# KiCad board 1 - ATX 16 bit ISA passive backplane.kicad_pcb (continued)
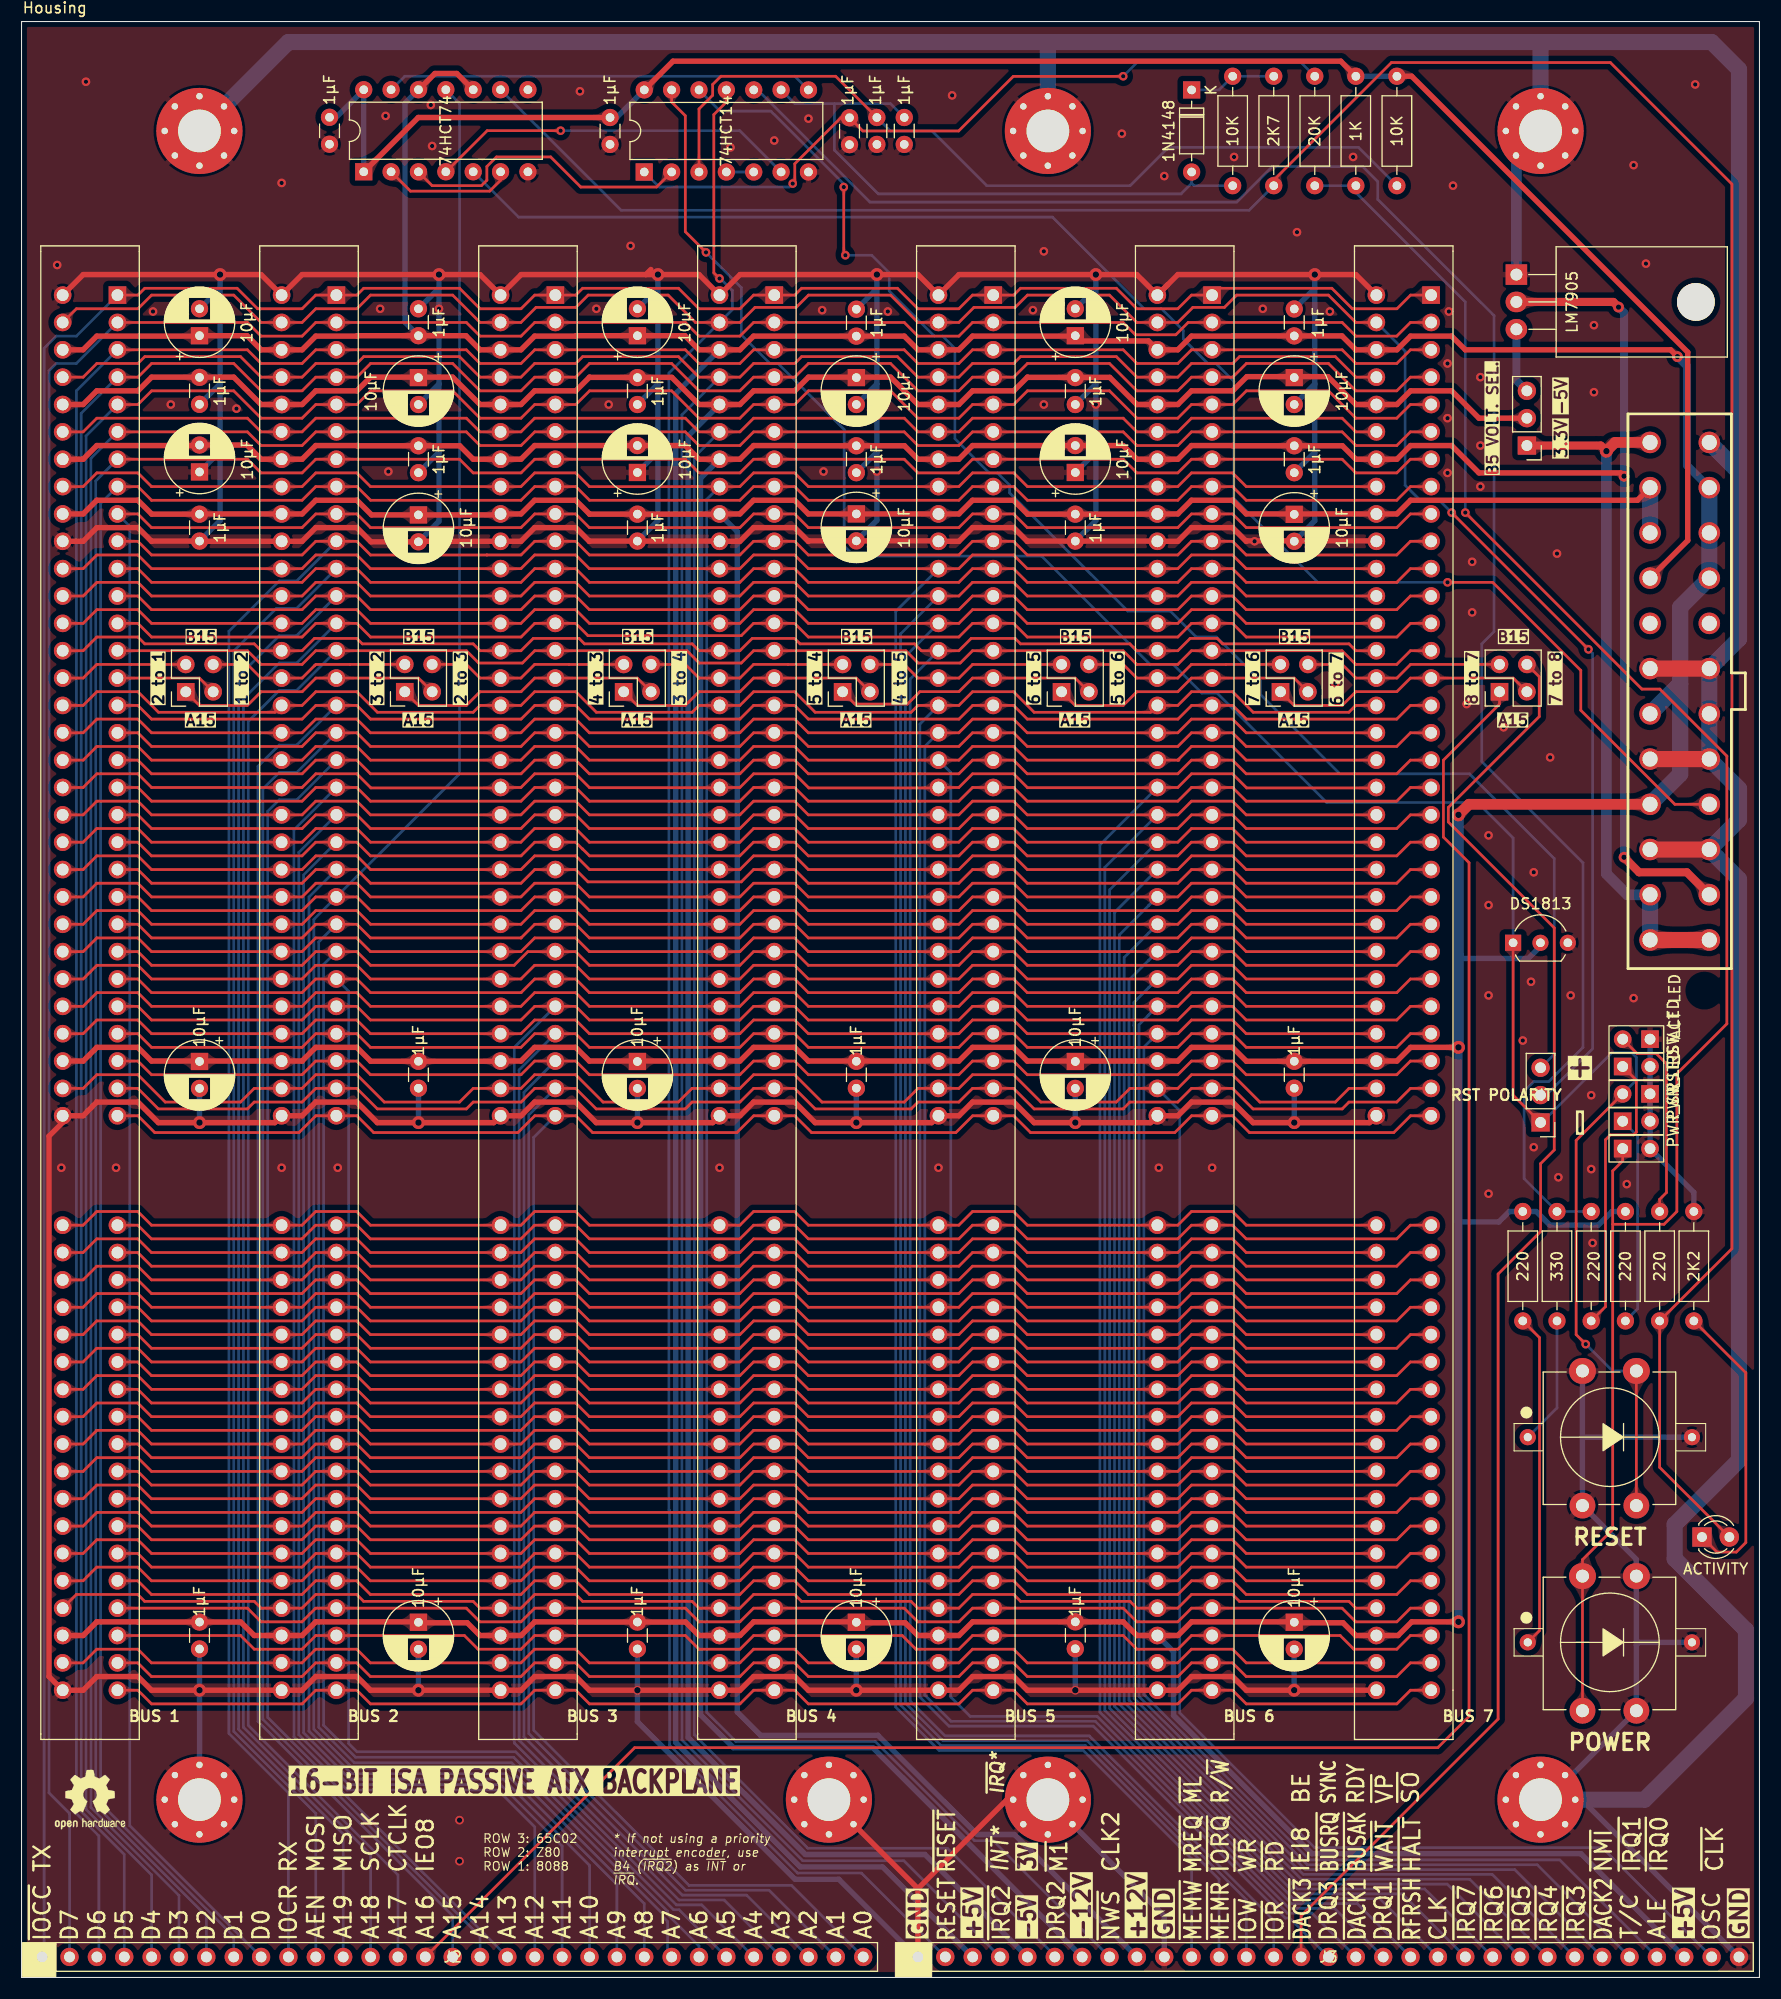
[diagram p0: board, top side]
## Nets (continued)
/~{IRQ15}: J1.88 J4.88 J5.88 J6.88 J7.88 J8.88 J9.88
/~{M1}: J1.37 J3.6 J4.37 J5.37 J6.37 J7.37 J8.37 J9.37
/~{MREQ}: J1.42 J3.11 J4.42 J5.42 J6.42 J7.42 J8.42 J9.42
/~{NMI}: J1.57 J3.26 J4.57 J5.57 J6.57 J7.57 J8.57 J9.57
/~{RD}: J1.45 J3.14 J4.45 J5.45 J6.45 J7.45 J8.45 J9.45
/~{RESET}: J1.33 J3.2 J4.33 J5.33 J6.33 J7.33 J8.33 J9.33 J16.2 U1.11
/~{WAIT}: J1.49 J3.18 J4.49 J5.49 J6.49 J7.49 J8.49 J9.49
/~{WR}: J1.44 J3.13 J4.44 J5.44 J6.44 J7.44 J8.44 J9.44
Net-(C38-Pad1): C38.1 R4.2 U1.3
Net-(C39-Pad1): C39.1 R9.2 U1.1
Net-(D2-A): C46.1 D2.2 R14.2 U1.9
Net-(D2-K): D2.1 R14.1 R15.1
Net-(D3-A): D3.2 R15.2 R17.1 U3.9
Net-(D3-K): D3.1 R16.1
Net-(J13-Pin_1): J13.1 R2.1
Net-(J14-Pin_1): J14.1 R8.2 R9.1 SW1.1
Net-(J17-Pin_1): J17.1 R11.1
Net-(J20-Pin_2): J20.2 R17.2
Net-(R10-Pad2): R10.2 R11.2 U1.10
Net-(SW1-A): R1.1 SW1.4
Net-(SW2-A): R10.1 SW2.4
Net-(U1-Pad4): U1.4 U1.5
Net-(U3A-C): U1.2 U3.3
Net-(U3A-D): U3.2 U3.6
Net-(U3B-~{R}): U1.8 U3.13

Pads without a net: J10 8 20; U3 8

## Via types
v1: diameter 0.8, hole 0.4, Top to Bottom, 100 vias
v2: diameter 1.2, hole 0.6, Top to Bottom, 20 vias
v3: diameter 0.8, hole 0.5, Top to Bottom, 2 vias
v4: diameter 0.8, hole 0.6, Top to Bottom, 2 vias
v5: diameter 1, hole 0.5, Top to Bottom, 4 vias

## Routing (per net, layer and track width the routed paths; a pad name or vN(x,y) marks a point on that pad's centre or on a via; arc(x,y) is an arc through that point)
+3V3: length 315.3
  Top w0.5: 36.8,148.59 32.39,148.59 31.12,147.32 27.31,147.32 26.04,146.05 J4.36 22.23,146.05 19.69,148.59 16.5,148.59 ; 36.8,148.59 40.01,148.59 42.55,146.05 J5.36 46.35,146.05 47.62,147.32 51.44,147.32 52.71,148.59 52.73,148.57 57.14,148.57 ; 36.8,148.59 C4.1 ; 57.14,148.57 C7.1 ; 57.14,148.57 60.35,148.57 62.87,146.05 J6.36 66.67,146.05 67.94,147.32 71.76,147.32 73.03,148.59 77.44,148.59 ; 16.5,148.59 12.07,148.59 10.8,147.32 6.98,147.32 5.71,146.05 3.82,146.05 ; 16.5,148.59 C5.1 ; 77.44,148.59 80.65,148.59 83.19,146.05 J7.36 86.99,146.05 88.26,147.32 92.08,147.32 93.35,148.59 93.37,148.57 97.78,148.57 ; 77.44,148.59 C6.1 ; 97.78,148.57 100.99,148.57 103.51,146.05 J8.36 107.31,146.05 108.58,147.32 112.4,147.32 113.72,148.64 118.12,148.64 ; 97.78,148.57 C12.1 ; 118.12,148.64 121.24,148.64 123.83,146.05 J9.36 127.64,146.05 128.91,147.32 132.72,147.32 135.26,144.78 J19.2 ; 118.12,148.64 C11.1
  Bottom w0.5: J3.5 83.84,11.42 72.74,11.42 61.86,22.29 61.86,143.14 J6.36
+5V: length 860.1
  Top w0.5: 3.82,151.13 5.71,151.13 6.98,152.4 16.48,152.4 C1.1 20.92,152.44 22.23,151.13 J4.34 26.04,151.13 27.31,152.4 31.12,152.4 31.16,152.44 C16.1 41.24,152.44 42.55,151.13 J5.34 46.35,151.13 47.62,152.4 51.43,152.4 51.47,152.44 C8.1 61.56,152.44 62.87,151.13 J6.34 66.67,151.13 67.94,152.4 C21.1 81.92,152.4 83.19,151.13 J7.34 86.99,151.13 88.26,152.4 97.76,152.4 97.78,152.42 ; 118.11,32.98 118.11,32.98 ; 118.11,32.98 118.11,32.98 C15.1 ; 118.11,32.98 118.11,32.98 118.07,32.98 ; 77.47,32.93 77.38,33.02 67.95,33.02 66.67,31.75 J6.96 62.87,31.75 61.62,33 C23.1 51.45,33 51.44,33.02 47.62,33.02 46.36,31.75 J5.96 42.55,31.75 41.36,32.93 36.83,32.93 36.79,32.98 ; 77.47,32.93 82,32.93 83.18,31.75 J7.96 86.99,31.75 88.26,33.02 C28.1 102.24,33.02 103.51,31.75 J8.96 107.31,31.75 108.58,33.02 118.02,33.02 118.07,32.98 ; 77.47,32.93 77.48,32.94 C10.1 ; 118.07,32.98 118.11,32.93 122.64,32.93 123.82,31.75 J9.96 127.75,31.75 129.02,33.02 v2(133.36,33.02) ; 57.2,85.09 52.7,85.09 51.43,86.36 47.62,86.36 46.35,85.09 J5.60 44.44,85.07 C17.1 32.41,85.07 31.11,86.36 27.31,86.36 26.04,85.09 J4.60 16.56,85.09 ; 57.2,85.09 C9.1 ; 57.2,85.09 J6.60 66.67,85.09 67.94,86.36 71.75,86.36 73.02,85.09 77.48,85.09 ; U3.12 36.86,175.28 38.36,176.78 40.39,176.78 41.9,175.28 U3.10 ; 16.56,85.09 12.07,85.09 10.8,86.36 6.98,86.36 5.71,85.09 3.82,85.09 ; 16.56,85.09 C2.1 ; 36.79,32.98 36.83,32.98 C3.1 ; 36.79,32.98 36.74,33.02 27.31,33.02 26.04,31.75 J4.96 21.6,31.75 20.35,33 C18.1 10.82,33 10.8,33.02 6.98,33.02 5.71,31.75 3.82,31.75 ; 97.84,85.09 J8.60 107.31,85.09 108.58,86.36 112.39,86.36 113.68,85.07 C27.1 125.72,85.07 J9.60 127.64,85.09 128.91,86.36 v2(133.36,86.36) ; 97.84,85.09 C14.1 ; 97.84,85.09 93.34,85.09 92.07,86.36 88.26,86.36 86.99,85.09 J7.60 77.48,85.09 ; 97.78,152.42 98.24,151.95 104.59,151.95 J8.34 107.31,151.13 108.58,152.4 112.4,152.4 112.42,152.42 C26.1 122.54,152.42 123.83,151.13 J9.34 127.64,151.13 128.91,152.4 132.72,152.4 133.99,151.13 153.04,151.13 v5(153.68,150.5) ; 97.78,152.42 C13.1 ; 77.48,85.09 C22.1
  Top w1: v2(133.36,107.95) 134.34,108.93 J10.4
  Bottom w0.5: J3.29 144.73,11.49 119.76,11.49 106.91,24.33 106.91,30.25 J8.96 ; RS1.2 140.97,95.75 139.83,94.61 133.61,94.61 133.36,94.87 ; 133.36,70.15 137.1,70.15 138.07,71.12 R1.2 140.58,71.12 141.84,69.86 146.34,69.86 147.6,71.12 R2.2 ; J6.34 60.71,147.07 60.71,21.82 72.26,10.27 79.91,10.27 J3.3 ; U3.12 35.59,174.03 35.59,153.69 C16.1
  Bottom w0.75: v2(133.36,33.02) v2(133.36,86.36) ; J10.23 154.57,140.4 154.57,149.61 v5(153.68,150.5)
  Bottom w1: v2(133.36,107.95) v2(133.36,86.36)
  Bottom w1.5: J10.23 J10.22 J10.21 153.93,127.22 153.93,120.12 ; J10.6 153.93,120.12 ; 153.93,120.12 153.93,111.72 J10.4
+12V: length 317.5
  Top w0.5: 118.16,135.89 J9.40 127.64,135.89 128.91,137.16 149.97,137.16 J10.11 ; 118.16,135.89 C29.1 ; 118.16,135.89 113.66,135.89 112.39,137.16 108.58,137.16 107.31,135.89 J8.40 105.39,135.87 C30.1 93.36,135.87 92.07,137.16 88.26,137.16 86.99,135.89 J7.40 C24.1 73.02,135.89 71.75,137.16 67.94,137.16 66.67,135.89 J6.40 64.76,135.87 C25.1 52.73,135.87 52.71,135.89 52.7,135.89 51.43,137.16 47.62,137.16 46.35,135.89 J5.40 ; 44.45,135.89 J5.40 ; J5.40 44.37,135.8 C19.1 32.48,135.8 31.12,137.16 27.31,137.16 26.04,135.89 J4.40 16.54,135.89 C20.1 12.09,135.87 10.8,137.16 6.98,137.16 5.71,135.89 3.82,135.89
  Bottom w0.5: J3.9 92.14,13.28 88.69,13.28 79.48,22.49 68.58,22.49 66.43,24.64 66.43,134.24 J6.40
  Bottom w1.5: J10.11 J10.10
-12V: length 385.3
  Top w0.5: v5(148.72,139.4) 148.42,139.7 135.26,139.7 132.72,142.24 128.91,142.24 127.64,140.97 J9.38 123.83,140.97 122.58,142.22 C36.1 112.41,142.22 112.39,142.24 108.58,142.24 107.31,140.97 J8.38 103.51,140.97 102.24,142.24 C35.2 88.26,142.24 86.99,140.97 J7.38 83.19,140.97 81.94,142.22 C34.1 71.77,142.22 71.75,142.24 67.94,142.24 66.67,140.97 J6.38 62.87,140.97 61.6,142.24 C33.2 47.62,142.24 46.35,140.97 J5.38 41.92,140.97 40.67,142.22 C32.1 31.14,142.22 31.11,142.24 27.31,142.24 26.04,140.97 J4.38 22.23,140.97 20.91,142.29 C31.2 16.47,142.24 6.98,142.24 5.71,140.97 3.82,140.97 ; 148.91,103.82 v5(148.72,104.01)
  Top w0.75: v5(148.22,155.09) 147.73,155.57 U4.2 ; 148.91,103.82 150.12,102.62 154.55,102.62 J10.14
  Bottom w0.5: J3.7 79,21.34 66.06,21.34 63.01,24.38 63.01,139.21 J6.38
  Bottom w0.75: v5(148.72,104.01) v5(148.72,139.4) 148.72,154.58 v5(148.22,155.09)
GND: length 1466.2
  Top w0.5: 4.44,80.01 5.71,80.01 6.98,81.28 10.8,81.28 12.7,79.38 v2(16.52,79.38) 23.5,79.38 J4.62 26.04,80.01 27.31,81.28 31.11,81.28 33.02,79.38 v2(36.84,79.38) 43.82,79.38 J5.62 46.35,80.01 47.62,81.28 51.43,81.28 53.33,79.38 v2(57.16,79.38) 64.14,79.38 J6.62 66.67,80.01 67.94,81.28 71.75,81.28 73.65,79.38 v2(77.48,79.38) 84.46,79.38 J7.62 86.99,80.01 88.26,81.28 92.07,81.28 93.97,79.38 v2(97.8,79.38) 104.77,79.38 J8.62 107.31,80.01 108.58,81.28 112.39,81.28 114.29,79.38 v2(118.12,79.38) 125.1,79.38 J9.62 ; 4.44,80.01 2.54,78.12 2.54,27.94 3.82,26.67 5.71,26.67 6.98,27.94 10.8,27.94 12.07,26.67 v2(16.52,26.67) J4.98 26.04,26.67 27.31,27.94 31.11,27.94 32.39,26.67 v2(36.83,26.67) J5.98 46.36,26.67 47.62,27.94 51.44,27.94 52.7,26.67 v4(57.16,26.67) J6.98 66.67,26.67 67.95,27.94 71.76,27.94 73.03,26.67 v2(77.47,26.67) J7.98 86.99,26.67 88.26,27.94 92.07,27.94 93.34,26.67 v4(97.8,26.67) 107.31,26.67 108.58,27.94 112.39,27.94 113.66,26.67 v2(118.11,26.67) J9.98 ; 4.44,80.01 3.82,80.01 ; H3.1 72.53,15.68 73.23,15.68 ; H2.1 15.81,17.21 15.81,18.21 ; 77.33,16.51 77.33,17.01 77.21,17.13 H3.1 ; 77.33,16.51 76.63,15.81 76.63,15.31 ; 77.33,16.51 H3.1 ; 52.7,133.35 52.72,133.37 C25.2 64.76,133.37 J6.41 66.67,133.35 67.94,134.62 71.75,134.62 73.02,133.35 73.06,133.39 C24.2 85.05,133.39 85.09,133.35 J7.41 86.99,133.35 88.26,134.62 92.07,134.62 93.34,133.35 93.36,133.37 C30.2 105.39,133.37 J8.41 107.31,133.35 108.58,134.62 112.39,134.62 113.66,133.35 113.7,133.39 114.39,133.39 v1(114.43,133.35) 114.47,133.39 125.69,133.39 125.73,133.35 J9.41 ; 52.7,133.35 51.43,134.62 47.62,134.62 46.35,133.35 J5.41 36.88,133.35 C19.2 32.43,133.3 31.11,134.62 27.31,134.62 26.04,133.35 J4.41 16.54,133.35 C20.2 12.09,133.37 12.07,133.35 10.8,134.62 6.98,134.62 5.71,133.35 3.82,133.35 ; 52.7,133.35 52.71,133.35 ; 18.21,18.21 18.91,17.5 18.91,17.01 ; 73.23,15.81 73.23,15.68 ; 73.23,15.68 73.23,15.56 ; 15.81,18.21 14.81,18.21 ; 15.81,18.21 16.51,18.91 H2.1 ; 14.81,18.21 14.81,17.21 14.11,16.51 ; 14.81,18.21 14.52,18.5 H2.1 ; H7.1 92.97,16.39 92.85,16.51 ; 14.11,16.51 14.11,14.35 14.17,14.29 ; 14.11,16.51 H2.1 ; 18.91,17.01 18.91,16.51 ; 18.91,17.01 18.79,17.13 H2.1 ; 18.91,16.51 H2.1 ; 18.91,16.51 18.21,15.81 18.21,14.81 H2.1 ; 73.23,15.56 73.23,14.81 72.07,14.81 H3.1 ; 73.23,15.56 73.98,15.56 H3.1 76.13,15.31 76.63,15.31 ; 76.63,15.31 76.63,14.81 ; 92.97,16.63 93.09,16.51 H7.1 ; 92.97,16.63 H7.1 ; 92.97,16.63 92.85,16.51 ; J8.32 103.5,158.12 v2(99.7,158.12) 87,158.12 J7.32 83.19,158.12 v2(79.38,158.12) 66.68,158.12 J6.32 62.87,158.12 v2(59.06,158.12) 57.93,158.12 ; J8.32 106.36,157.16 ; J8.32 106.36,157.16 ; 106.36,157.16 107.31,158.12 v2(120.02,158.12) 123.83,158.12 J9.32 ; H3.1 75.1,13.28 76.63,14.81 ; 83.19,8.25 H3.1 76.63,14.81 ; 83.19,8.25 J3.1 ; 83.19,8.25 91.45,16.51 92.85,16.51 ; 57.93,158.12 46.36,158.12 J5.32 42.55,158.12 v2(38.74,158.12) 26.04,158.12 J4.32 22.23,158.12 v2(18.42,158.12) 5.72,158.12 3.82,156.21 ; 57.93,158.12 58.41,158.59
  Top w1.5: J10.5 J10.17 ; J10.7 J10.19 ; J10.3 J10.15
  Bottom w0.5: C3.2 36.84,28.56 36.83,28.55 ; J3.10 106.05,5.71 H7.1 96.86,14.9 ; 79.38,141.62 v1(79.38,146.18) 79.38,147.95 ; 79.38,141.62 C34.2 ; 79.38,141.62 v1(79.38,139.83) 79.38,135.29 C24.2 ; 120.02,141.62 120.02,135.25 C29.2 ; 120.02,141.62 v1(120.02,146.18) 120.02,147.95 ; 120.02,141.62 C36.2 ; v2(57.16,79.38) C9.2 ; 38.74,141.62 38.74,135.21 C19.2 ; 38.74,141.62 C32.2 ; 38.74,141.62 v1(38.74,145.92) 38.74,147.95 ; 59.06,141.64 59.06,135.27 C25.2 ; 59.06,141.64 59.06,147.95 ; 59.06,141.64 C33.1 ; v2(77.48,79.38) C22.2 ; 16.52,19.73 v2(16.52,26.67) C18.2 ; 16.52,19.73 H2.1 ; 16.52,19.73 17.85,19.73 18.32,19.26 ; v2(16.52,79.38) C2.2 ; 38.74,147.95 v1(38.74,154.94) 38.74,156.84 ; 38.74,147.95 C4.2 ; 18.42,156.84 v1(18.42,154.94) 18.42,147.97 ; 18.42,156.84 C1.2 ; 18.42,156.84 v2(18.42,158.12) ; 96.86,14.9 H7.1 ; 96.86,14.9 98.47,16.51 ; 96.86,14.9 H7.1 ; 59.06,147.95 C7.2 ; 59.06,147.95 59.06,154.56 v1(59.32,154.81) 59.06,155.07 59.06,156.84 ; J3.31 144.79,16.51 H4.1 141.61,16.51 SW1.2 149.87,30.86 ; C6.2 79.38,147.95 ; 79.38,147.95 79.38,156.81 ; 18.32,19.26 H2.1 18.32,19.26 ; 120.02,156.82 C26.2 ; 120.02,156.82 v2(120.02,158.12) ; 120.02,156.82 120.02,147.95 ; v2(38.74,158.12) 38.74,156.84 ; 38.74,156.84 C16.2 ; SW1.3 150.12,31.11 149.87,30.86 ; v4(97.8,26.67) C28.2 ; 18.12,14.23 17.45,14.23 H2.1 ; R16.2 155.2,72.9 J14.2 J13.2 J18.1 J17.2 J20.1 ; 99.7,156.84 99.7,155.45 v1(100.21,154.94) 99.7,154.43 99.7,147.95 ; 99.7,156.84 v2(99.7,158.12) ; 99.7,156.84 98.02,155.16 C13.2 ; C5.2 18.42,147.97 ; 18.42,147.97 18.42,141.69 ; v2(79.38,158.12) 79.38,156.81 ; 79.38,156.81 C21.2 ; 18.42,141.69 C31.1 ; 18.42,141.69 18.42,135.27 C20.2 ; 99.7,147.95 v1(99.7,146.05) 99.7,141.64 ; 99.7,147.95 C12.2 ; 144.87,50.29 SW2.1 ; 144.87,50.29 SW2.1 149.87,38.81 SW1.2 149.87,30.86 ; 144.87,50.29 144.99,50.16 SW2.3 ; v2(118.12,79.38) C27.2 ; v2(118.11,26.67) 118.11,30.47 C15.2 ; 76.74,19.26 H3.1 76.74,19.26 ; 76.74,19.26 76.27,19.73 H3.1 73.99,18.79 H3.1 ; 77.47,28.55 77.48,28.56 C10.2 ; 77.47,28.55 77.47,30.43 ; 77.47,28.55 v2(77.47,26.67) ; 36.83,30.43 36.83,28.55 ; 36.83,28.55 v2(36.83,26.67) ; C11.2 120.02,147.95 ; 99.7,141.64 99.7,135.27 C30.2 ; 99.7,141.64 C35.1 ; 59.06,156.84 C8.2 ; 59.06,156.84 v2(59.06,158.12) ; H7.1 96.19,18.79 H7.1 94.78,19.26 94.31,18.79 H7.1 ; J3.1 83.06,1.91 75.85,9.12 71.79,9.12 57.16,23.75 v4(57.16,26.67) C23.2 ; v2(97.8,79.38) C14.2 ; v2(36.84,79.38) C17.2
  Bottom w1: U4.1 138.73,169.2 H6.1
  Bottom w1.5: H5.1 95.25,179.7 95.26,179.7 ; H6.1 140.98,179.7 ; 140.98,179.7 156.85,179.7 159.39,177.16 159.39,139.77 ; 140.98,179.7 95.26,179.7 ; H4.1 150.63,16.51 160.04,25.92 160.04,32.26 153.42,38.88 153.42,42.06 159.39,48.03 159.39,101.97 J10.15 159.39,107.48 159.39,110.38 J10.17 J10.18 J10.19 159.39,124.28 159.39,139.77 ; 95.26,179.7 24.76,179.7 H1.1 ; 159.39,139.77 J10.24
  vias: v1(3.31,159) v1(3.69,75.18) v1(5.98,176.02) v1(8.77,75.18) v1(12.2,154.69) v1(13.85,146.05) v1(19.95,145.67) v1(24.14,166.62) v1(24.14,75.18) v1(29.34,75.18) v1(33.28,154.94) v1(33.79,172.85) v1(34.04,139.83) v1(35.06,145.92) v1(37.98,173.86) v1(38.11,170.05) v1(51.82,175.13) v1(53.35,154.94) v1(54.49,146.05) v1(56.52,160.78) v1(64.78,75.18) v1(65.79,169.93) v1(69.86,170.56) v1(73.03,172.59) v1(74.3,154.81) v1(74.43,139.83) v1(75.7,146.05) v1(80.4,154.69) v1(85.1,75.18) v1(86.37,174.75) v1(93.86,154.81) v1(94.88,160.27) v1(94.88,146.05) v1(102.11,171.2) v1(105.54,75.18) v1(106.05,167.26) v1(110.5,75.18) v1(112.53,169.04) v1(115.2,154.94) v1(116.21,146.18) v1(118.37,162.05) v1(121.42,154.69) v1(121.93,120.14) v1(123.58,169.04) v1(132.34,149.86) v1(132.34,144.78) v1(132.34,139.7) v1(132.47,154.69) v1(132.85,166.37) v1(134.12,118.24) v1(134.63,131.44) v1(134.63,126.75) v1(135.39,148.59) v1(135.39,142.24) v1(135.39,138.43) v1(136.15,106.04) v1(136.15,99.57) v1(136.15,91.19) v1(136.15,72.77) v1(137.55,116.08) v1(139.33,86.99) v1(140.09,92.46) v1(140.34,102.62) v1(140.34,77.09) v1(141.87,113.28) v1(142.5,132.21) v1(142.63,74.29) v1(143.77,91.19) v1(145.68,81.91) v1(145.68,75.06) v1(145.8,68.2) v1(145.93,153.42) v1(145.93,147.19) v1(148.98,73.66) v1(149.61,168.28) v1(149.61,90.93) v1(150.76,159.13) v1(155.33,175.77) v3(40.65,14.6) v3(40.65,10.79)
VCC: length 172.6
  Top w0.5: U1.14 60.46,177.93 122.43,177.93 R8.1 ; J10.9 154.63,133.43 154.63,150.91 129.01,176.53 R4.1 ; U3.1 31.78,167.66 36.82,172.7 C45.1
  Bottom w0.5: U3.1 U3.14 29.2,172.72 C44.1 ; C45.1 55.23,172.7 U1.14 ; R4.1 R8.1
/A0: length 226.9
  Top w0.25: J9.31 128.91,80.01 127.35,78.45 113.96,78.45 112.4,80.01 J8.31 108.59,80.01 107.03,78.45 93.64,78.45 92.08,80.01 J7.31 88.27,80.01 86.71,78.45 73.32,78.45 71.76,80.01 J6.31 67.95,80.01 66.39,78.45 53,78.45 51.44,80.01 J5.31 47.63,80.01 46.07,78.45 32.68,78.45 31.12,80.01 J4.31 27.31,80.01 25.75,78.45 12.36,78.45 10.8,80.01 J1.31
  Bottom w0.25: J2.31 71.47,8.54 61.95,8.54 47.53,22.97 47.53,78 J5.31
/A1: length 229.4
  Top w0.25: J9.30 128.9,82.55 127.63,81.28 123.2,81.28 122.56,80.64 114.29,80.64 112.39,82.55 J8.30 108.58,82.55 107.31,81.28 102.86,81.28 102.23,80.64 93.97,80.64 92.07,82.55 J7.30 88.26,82.55 86.99,81.28 83.19,81.28 82.56,80.64 73.65,80.64 71.75,82.55 J6.30 67.94,82.55 66.67,81.28 62.22,81.28 61.59,80.64 53.33,80.64 51.43,82.55 J5.30 47.62,82.55 46.36,81.28 41.92,81.28 41.28,80.64 33.03,80.64 31.12,82.55 J4.30 27.31,82.55 26.04,81.28 21.59,81.28 20.96,80.64 12.7,80.64 10.8,82.55 J1.30
  Bottom w0.25: J2.30 69.38,8.09 61.64,8.09 47.08,22.65 47.08,80.09 J5.30
/A2: length 227.1
  Top w0.25: J9.29 128.9,85.09 127.63,83.82 113.66,83.82 112.39,85.09 J8.29 108.58,85.09 107.31,83.82 93.34,83.82 92.07,85.09 J7.29 88.26,85.09 86.99,83.82 73.02,83.82 71.75,85.09 J6.29 67.94,85.09 66.67,83.82 52.7,83.82 51.43,85.09 J5.29 47.62,85.09 46.36,83.82 32.38,83.82 31.11,85.09 J4.29 27.31,85.09 26.04,83.82 12.07,83.82 10.8,85.09 J1.29
  Bottom w0.25: J5.29 46.63,82.18 46.63,22.34 61.33,7.64 67.29,7.64 J2.29
/A3: length 227.9
  Top w0.25: J1.28 10.8,87.63 12.07,86.36 26.04,86.36 27.31,87.63 J4.28 31.11,87.63 32.39,86.36 46.36,86.36 47.62,87.63 J5.28 51.43,87.63 52.7,86.36 66.67,86.36 67.94,87.63 J6.28 71.75,87.63 73.02,86.36 86.99,86.36 88.26,87.63 J7.28 92.07,87.63 93.34,86.36 107.31,86.36 108.58,87.63 J8.28 112.39,87.63 113.66,86.36 127.63,86.36 128.9,87.63 J9.28
  Bottom w0.25: J2.28 65.2,7.19 61.01,7.19 46.18,22.03 46.18,84.27 J5.28
/A4: length 228.7
  Top w0.25: J9.27 128.9,90.17 127.63,88.9 113.66,88.9 112.39,90.17 J8.27 108.58,90.17 107.31,88.9 93.34,88.9 92.07,90.17 J7.27 88.26,90.17 86.99,88.9 73.02,88.9 71.75,90.17 J6.27 67.94,90.17 66.67,88.9 52.7,88.9 51.43,90.17 J5.27 47.62,90.17 46.36,88.9 32.39,88.9 31.11,90.17 J4.27 27.31,90.17 26.04,88.9 12.07,88.9 10.8,90.17 J1.27
  Bottom w0.25: J5.27 45.73,86.36 45.73,21.78 60.77,6.74 63.11,6.74 J2.27
/A5: length 243
  Top w0.25: J9.26 128.9,92.71 127.63,91.44 113.66,91.44 112.39,92.71 J8.26 108.58,92.71 107.31,91.44 93.34,91.44 92.07,92.71 J7.26 88.26,92.71 86.99,91.44 73.02,91.44 71.75,92.71 J6.26 67.94,92.71 66.67,91.44 52.7,91.44 51.43,92.71 J5.26 47.62,92.71 46.36,91.44 46.36,91.44 32.39,91.44 31.12,92.71 J4.26 27.31,92.71 26.04,91.44 12.07,91.44 10.8,92.71 J1.26
  Bottom w0.25: J4.26 30.36,91.57 30.36,21.73 31.13,20.95 45.85,20.95 60.52,6.29 61.02,6.29 J2.26
/A6: length 245.1
  Top w0.25: J9.25 128.9,95.25 127.63,93.98 113.66,93.98 112.39,95.25 J8.25 108.58,95.25 107.31,93.98 93.34,93.98 92.07,95.25 J7.25 88.26,95.25 86.99,93.98 73.02,93.98 71.75,95.25 J6.25 67.94,95.25 66.67,93.98 52.7,93.98 51.43,95.25 J5.25 46.99,95.25 45.72,93.98 32.39,93.98 31.12,95.25 J4.25 27.31,95.25 26.04,93.98 12.07,93.98 10.8,95.25 J1.25
  Bottom w0.25: J2.25 62.87,2.92 59.95,5.84 59.95,6.16 45.66,20.45 31,20.45 28.03,23.42 28.03,94.06 J4.25
/A7: length 246.9
  Top w0.25: J9.24 128.9,97.79 127.63,96.52 113.66,96.52 112.39,97.79 J8.24 108.58,97.79 107.31,96.52 93.34,96.52 92.07,97.79 J7.24 88.26,97.79 86.99,96.52 73.02,96.52 71.75,97.79 J6.24 67.94,97.79 66.67,96.52 52.7,96.52 51.43,97.79 J5.24 47.62,97.79 46.36,96.52 32.39,96.52 31.11,97.79 J4.24 27.31,97.79 26.04,96.52 12.07,96.52 10.8,97.79 J1.24
  Bottom w0.25: J2.24 59.95,2.29 59.95,5.21 59.5,5.66 59.5,5.91 45.47,19.94 30.88,19.94 27.58,23.24 27.58,96.15 J4.24
/A8: length 328.9
  Top w0.25: J9.23 128.9,100.33 127.63,99.06 113.66,99.06 112.39,100.33 J8.23 108.58,100.33 107.31,99.06 93.34,99.06 92.07,100.33 J7.23 88.26,100.33 86.99,99.06 73.02,99.06 71.75,100.33 J6.23 67.94,100.33 66.67,99.06 52.71,99.06 51.44,100.33 J5.23 47.62,100.33 46.36,99.06 32.39,99.06 31.12,100.33 J4.23 27.31,100.33 26.04,99.06 12.07,99.06 10.8,100.33 J1.23
  Bottom w0.25: J2.23 57.79,6.86 45.22,19.43 30.75,19.43 27.13,23.05 27.13,98.24 J4.23 40.65,111.76 40.65,174.01 U3.11
/A9: length 250.4
  Top w0.25: J1.22 10.8,102.87 12.07,101.6 26.04,101.6 27.31,102.87 J4.22 31.12,102.87 32.39,101.6 46.36,101.6 47.62,102.87 J5.22 51.43,102.87 52.57,101.73 66.8,101.73 67.94,102.87 J6.22 71.75,102.87 73.02,101.6 86.99,101.6 88.26,102.87 J7.22 92.07,102.87 93.34,101.6 107.31,101.6 108.58,102.87 J8.22 112.39,102.87 113.66,101.6 127.63,101.6 128.9,102.87 J9.22
  Bottom w0.25: J4.22 26.68,100.33 26.68,22.87 30.62,18.92 44.95,18.92 55.25,8.62 J2.22
/A10: length 252.3
  Top w0.25: J1.21 10.79,105.41 12.06,104.14 26.03,104.14 27.3,105.41 J4.21 31.11,105.41 32.39,104.14 46.36,104.14 47.62,105.41 J5.21 51.42,105.41 52.06,104.77 52.08,104.77 52.71,104.14 66.66,104.14 67.93,105.41 J6.21 71.75,105.41 73.02,104.14 86.99,104.14 88.26,105.41 J7.21 92.06,105.41 93.33,104.14 107.3,104.14 108.57,105.41 J8.21 112.39,105.41 113.66,104.14 127.63,104.14 128.9,105.41 J9.21
  Bottom w0.25: J2.21 52.71,10.41 44.71,18.41 30.49,18.41 26.18,22.73 26.18,102.37 J4.21
/A11: length 254.1
  Top w0.25: J1.20 10.8,107.95 12.07,106.68 26.04,106.68 27.31,107.95 J4.20 31.11,107.95 32.39,106.68 46.36,106.68 47.62,107.95 J5.20 51.43,107.95 52.7,106.68 66.67,106.68 67.94,107.95 J6.20 71.75,107.95 73.02,106.68 86.99,106.68 88.26,107.95 J7.20 92.07,107.95 93.34,106.68 107.31,106.68 108.58,107.95 J8.20 112.39,107.95 113.66,106.68 127.63,106.68 128.9,107.95 J9.20
  Bottom w0.25: J2.20 50.17,12.19 44.46,17.91 30.36,17.91 25.73,22.54 25.73,104.46 J4.20
/A12: length 255.9
  Top w0.25: J9.19 128.9,110.49 127.63,109.22 113.66,109.22 112.39,110.49 J8.19 108.58,110.49 107.31,109.22 93.34,109.22 92.07,110.49 J7.19 88.26,110.49 86.99,109.22 73.02,109.22 71.75,110.49 J6.19 67.94,110.49 66.67,109.22 52.7,109.22 51.43,110.49 J5.19 47.62,110.49 46.36,109.22 32.39,109.22 31.11,110.49 J4.19 27.31,110.49 26.04,109.22 12.07,109.22 10.8,110.49 J1.19
  Bottom w0.25: J2.19 47.63,13.97 44.2,17.4 30.23,17.4 25.28,22.35 25.28,106.55 J4.19
/A13: length 252.2
  Top w0.25: J9.18 128.9,113.03 127.63,111.76 113.66,111.76 112.39,113.03 J8.18 108.58,113.03 107.31,111.76 93.34,111.76 92.07,113.03 J7.18 88.26,113.03 86.99,111.76 73.02,111.76 71.75,113.03 J6.18 67.94,113.03 66.67,111.76 52.7,111.76 51.43,113.03 J5.18 47.62,113.03 46.36,111.76 32.39,111.76 31.11,113.03 J4.18 27.31,113.03 26.04,111.76 12.07,111.76 10.8,113.03 J1.18
  Bottom w0.25: J4.18 25.53,109.35 23.92,109.35 22.84,108.27 22.84,24.16 J2.18
/A14: length 254
  Top w0.25: J1.17 10.8,115.57 12.07,114.3 26.04,114.3 27.31,115.57 J4.17 31.11,115.57 32.39,114.3 46.36,114.3 47.62,115.57 J5.17 51.43,115.57 52.7,114.3 66.67,114.3 67.94,115.57 J6.17 71.75,115.57 73.02,114.3 86.99,114.3 88.26,115.57 J7.17 92.07,115.57 93.34,114.3 107.31,114.3 108.58,115.57 J8.17 112.39,115.57 113.66,114.3 127.63,114.3 128.9,115.57 J9.17
  Bottom w0.25: J4.17 25.53,111.89 23.92,111.89 22.39,110.36 22.39,23.97 42.55,3.81 J2.17
/A15: length 255.9
  Top w0.25: J9.16 128.9,118.11 127.63,116.84 113.67,116.84 112.4,118.11 J8.16 108.59,118.11 107.32,116.84 93.34,116.84 92.07,118.11 J7.16 88.27,118.11 87,116.84 73.02,116.84 71.75,118.11 J6.16 67.94,118.11 66.67,116.84 52.7,116.84 51.43,118.11 J5.16 47.63,118.11 46.36,116.84 32.39,116.84 31.12,118.11 J4.16 27.31,118.11 26.04,116.84 12.07,116.84 10.8,118.11 J1.16
  Bottom w0.25: J4.16 25.53,114.43 23.92,114.43 21.94,112.45 21.94,23.78 40.01,5.71 J2.16
/A16: length 128.2
  Top w0.25: J1.71 10.79,49.53 12.06,48.26 26.03,48.26 27.3,49.53 J4.71 31.11,49.53 32.38,48.26 46.35,48.26 47.62,49.53 J5.71 51.43,49.53 52.7,48.26 66.67,48.26 67.94,49.53 J6.71 71.75,49.53 73.02,48.26 86.99,48.26 88.26,49.53 J7.71 92.07,49.53 93.34,48.26 107.31,48.26 108.58,49.53 J8.71 112.39,49.53 113.66,48.26 127.63,48.26 128.9,49.53 J9.71
/A17: length 128.2
  Top w0.25: J1.70 10.79,52.07 12.06,50.8 26.03,50.8 27.3,52.07 J4.70 31.11,52.07 32.38,50.8 46.35,50.8 47.62,52.07 J5.70 51.43,52.07 52.7,50.8 66.67,50.8 67.94,52.07 J6.70 71.75,52.07 73.02,50.8 86.99,50.8 88.26,52.07 J7.70 92.07,52.07 93.34,50.8 107.31,50.8 108.58,52.07 J8.70 112.39,52.07 113.66,50.8 127.63,50.8 128.9,52.07 J9.70
/A18: length 128.2
  Top w0.25: J1.69 10.79,54.61 12.06,53.34 26.03,53.34 27.3,54.61 J4.69 31.11,54.61 32.38,53.34 46.35,53.34 47.62,54.61 J5.69 51.43,54.61 52.7,53.34 66.67,53.34 67.94,54.61 J6.69 71.75,54.61 73.02,53.34 86.99,53.34 88.26,54.61 J7.69 92.07,54.61 93.34,53.34 107.31,53.34 108.58,54.61 J8.69 112.39,54.61 113.66,53.34 127.63,53.34 128.9,54.61 J9.69
/A19: length 128.2
  Top w0.25: J9.68 128.9,57.15 127.63,55.88 113.66,55.88 112.39,57.15 J8.68 108.58,57.15 107.31,55.88 93.34,55.88 92.07,57.15 J7.68 88.26,57.15 86.99,55.88 73.02,55.88 71.75,57.15 J6.68 67.94,57.15 66.67,55.88 52.7,55.88 51.43,57.15 J5.68 47.62,57.15 46.35,55.88 32.38,55.88 31.11,57.15 J4.68 27.3,57.15 26.03,55.88 12.06,55.88 10.79,57.15 J1.68
/A20: length 128.2
  Top w0.25: J1.67 10.79,59.69 12.06,58.42 26.03,58.42 27.3,59.69 J4.67 31.11,59.69 32.38,58.42 46.35,58.42 47.62,59.69 J5.67 51.43,59.69 52.7,58.42 66.67,58.42 67.94,59.69 J6.67 71.75,59.69 73.02,58.42 86.99,58.42 88.26,59.69 J7.67 92.07,59.69 93.34,58.42 107.31,58.42 108.58,59.69 J8.67 112.39,59.69 113.66,58.42 127.63,58.42 128.9,59.69 J9.67
/A21: length 128.2
  Top w0.25: J9.66 128.9,62.23 127.63,60.96 113.66,60.96 112.39,62.23 J8.66 108.58,62.23 107.31,60.96 93.34,60.96 92.07,62.23 J7.66 88.26,62.23 86.99,60.96 73.02,60.96 71.75,62.23 J6.66 67.94,62.23 66.67,60.96 52.7,60.96 51.43,62.23 J5.66 47.62,62.23 46.35,60.96 32.38,60.96 31.11,62.23 J4.66 27.3,62.23 26.03,60.96 12.06,60.96 10.79,62.23 J1.66
/A22: length 128.2
  Top w0.25: J1.65 10.79,64.77 12.06,63.5 26.03,63.5 27.3,64.77 J4.65 31.11,64.77 32.38,63.5 46.35,63.5 47.62,64.77 J5.65 51.43,64.77 52.7,63.5 66.67,63.5 67.94,64.77 J6.65 71.75,64.77 73.02,63.5 86.99,63.5 88.26,64.77 J7.65 92.07,64.77 93.34,63.5 107.31,63.5 108.58,64.77 J8.65 112.39,64.77 113.66,63.5 127.63,63.5 128.9,64.77 J9.65
/A23: length 128.2
  Top w0.25: J1.64 10.79,67.31 12.06,66.04 26.03,66.04 27.3,67.31 J4.64 31.11,67.31 32.38,66.04 46.35,66.04 47.62,67.31 J5.64 51.43,67.31 52.7,66.04 66.67,66.04 67.94,67.31 J6.64 71.75,67.31 73.02,66.04 86.99,66.04 88.26,67.31 J7.64 92.07,67.31 93.34,66.04 107.31,66.04 108.58,67.31 J8.64 112.39,67.31 113.66,66.04 127.63,66.04 128.9,67.31 J9.64
/CLK: length 253.8
  Top w0.25: 3.82,107.95 5.71,107.95 6.98,109.22 10.8,109.22 12.07,107.95 J4.51 26.04,107.95 27.31,109.22 31.11,109.22 32.39,107.95 J5.51 46.35,107.95 47.62,109.22 51.43,109.22 52.7,107.95 J6.51 66.67,107.95 67.94,109.22 71.75,109.22 73.02,107.95 J7.51 86.99,107.95 88.26,109.22 92.07,109.22 93.34,107.95 J8.51 107.31,107.95 108.58,109.22 112.39,109.22 113.66,107.95 J9.51
  Bottom w0.25: J8.51 100.53,103.07 100.53,24.81 118.03,7.31 126.04,7.31 J3.20
/CLK2: length 289.3
  Top w0.25: 3.82,138.43 5.71,138.43 6.98,139.7 10.8,139.7 12.07,138.43 12.07,138.43 J4.39 26.04,138.43 27.31,139.7 31.11,139.7 32.39,138.43 J5.39 46.35,138.43 47.62,139.7 51.43,139.7 52.7,138.42 62.23,138.42 62.24,138.43 J6.39 66.67,138.43 67.94,139.7 71.75,139.7 73.02,138.43 J7.39 86.99,138.43 88.26,139.7 92.08,139.7 93.35,138.43 J8.39 107.31,138.43 108.58,139.7 112.39,139.7 113.66,138.43 J9.39
  Bottom w0.25: J3.8 90.18,12.7 88.45,12.7 79.24,21.91 66.3,21.91 63.59,24.62 63.59,137.24 J6.39
/CTCLK: length 259.3
  Top w0.25: J1.14 20.96,123.19 22.23,121.92 26.04,121.92 27.31,123.19 J4.14 41.28,123.19 42.42,122.05 46.48,122.05 47.62,123.19 J5.14 61.75,123.19 62.89,122.05 66.8,122.05 67.94,123.19 J6.14 82.07,123.19 83.21,122.05 87.12,122.05 88.26,123.19 J7.14 102.23,123.19 103.5,121.92 107.31,121.92 108.58,123.19 J8.14 122.55,123.19 123.82,121.92 127.63,121.92 128.9,123.19 J9.14
  Bottom w0.25: J4.14 25.53,119.51 23.92,119.51 21.04,116.63 21.04,23.41 34.93,9.52 J2.14
/D0: length 267.7
  Top w0.25: J9.9 128.9,135.89 127.63,134.62 113.66,134.62 112.39,135.89 J8.9 108.58,135.89 107.31,134.62 93.34,134.62 92.07,135.89 J7.9 88.26,135.89 86.99,134.62 73.02,134.62 71.75,135.89 J6.9 67.94,135.89 66.67,134.62 52.7,134.62 51.43,135.89 J5.9 47.62,135.89 46.36,134.62 32.39,134.62 31.12,135.89 J4.9 27.31,135.89 26.04,134.62 12.07,134.62 10.8,135.89 J1.9
  Bottom w0.25: J1.9 10.04,134.75 10.04,28.45 10.04,14.1 J2.9
/D1: length 270.5
  Top w0.25: J1.8 10.8,138.43 12.07,137.16 12.07,137.16 26.04,137.16 27.31,138.43 J4.8 31.12,138.43 32.39,137.16 46.36,137.16 47.62,138.43 J5.8 51.44,138.43 52.71,137.16 66.67,137.16 67.94,138.43 J6.8 71.75,138.43 73.02,137.16 86.99,137.16 88.26,138.43 J7.8 92.08,138.43 93.35,137.16 107.31,137.16 108.58,138.43 J8.8 112.39,138.43 113.66,137.16 127.63,137.16 128.9,138.43 J9.8
  Bottom w0.25: J2.8 19.69,3.81 7.34,16.16 7.34,136.87 J1.8
/D2: length 272.4
  Top w0.25: J1.7 20.96,140.97 22.23,139.7 26.04,139.7 27.31,140.97 J4.7 40.65,140.97 41.92,139.7 46.36,139.7 47.62,140.97 J5.7 61.6,140.97 62.87,139.7 66.67,139.7 67.94,140.97 J6.7 81.92,140.97 83.19,139.7 86.99,139.7 88.26,140.97 J7.7 102.24,140.97 103.51,139.7 107.31,139.7 108.58,140.97 J8.7 122.56,140.97 123.83,139.7 127.63,139.7 128.9,140.97 J9.7
  Bottom w0.25: J2.7 17.15,5.71 6.89,15.98 6.89,138.96 J1.7
/D3: length 274.2
  Top w0.25: J9.6 128.9,143.51 127.63,142.24 123.83,142.24 122.56,143.51 J8.6 108.58,143.51 107.31,142.24 103.51,142.24 102.24,143.51 J7.6 88.26,143.51 86.99,142.24 83.19,142.24 81.92,143.51 J6.6 67.94,143.51 66.67,142.24 62.87,142.24 61.6,143.51 J5.6 47.62,143.51 46.36,142.24 42.55,142.24 41.28,143.51 J4.6 27.31,143.51 26.04,142.24 22.23,142.24 20.96,143.51 J1.6
  Bottom w0.25: J2.6 14.61,7.62 6.44,15.79 6.44,141.05 J1.6
/D4: length 282.4
  Top w0.25: J1.5 10.8,146.05 12.07,147.32 19.69,147.32 22.23,144.78 26.04,144.78 27.31,146.05 J4.5 31.12,146.05 32.39,147.32 40.01,147.32 42.55,144.78 46.36,144.78 47.62,146.05 J5.5 51.44,146.05 52.71,147.32 60.33,147.32 62.87,144.78 66.67,144.78 67.94,146.05 J6.5 71.76,146.05 73.03,147.32 80.65,147.32 83.19,144.78 86.99,144.78 88.26,146.05 J7.5 92.08,146.05 93.35,147.32 100.97,147.32 103.51,144.78 107.31,144.78 108.58,146.05 J8.5 112.4,146.05 113.67,147.32 121.29,147.32 123.83,144.78 127.63,144.78 128.9,146.05 J9.5
  Bottom w0.25: J2.5 12.07,9.52 5.99,15.6 5.99,143.14 J1.5
/D5: length 284.3
  Top w0.25: J1.4 10.8,148.59 12.07,149.86 19.69,149.86 22.23,147.32 26.04,147.32 27.31,148.59 J4.4 31.12,148.59 32.39,149.86 40.01,149.86 42.55,147.32 46.36,147.32 47.62,148.59 J5.4 51.43,148.59 51.44,148.58 52.71,149.86 60.33,149.86 62.87,147.32 66.67,147.32 67.94,148.59 J6.4 71.76,148.59 73.03,149.86 80.65,149.86 83.19,147.32 86.99,147.32 88.26,148.59 J7.4 92.08,148.59 93.35,149.86 100.97,149.86 103.51,147.32 107.31,147.32 108.58,148.59 J8.4 112.4,148.59 113.67,149.86 121.29,149.86 123.83,147.32 127.63,147.32 128.9,148.59 J9.4
  Bottom w0.25: J1.4 5.54,145.23 5.54,15.42 9.53,11.42 J2.4
/D6: length 280
  Top w0.25: J9.3 128.9,151.13 127.63,149.86 123.83,149.86 122.56,151.13 J8.3 108.58,151.13 107.31,149.86 103.51,149.86 102.24,151.13 J7.3 88.26,151.13 86.99,149.86 83.19,149.86 81.92,151.13 J6.3 67.94,151.13 66.67,149.86 62.87,149.86 61.6,151.13 J5.3 47.62,151.13 46.36,149.86 42.55,149.86 41.28,151.13 J4.3 27.31,151.13 26.04,149.86 22.23,149.86 20.96,151.13 J1.3
  Bottom w0.25: J1.3 5.09,147.32 5.09,15.23 7.18,13.14 7.18,2.09 J2.3
/D7: length 284.4
  Top w0.25: J9.2 128.9,153.67 127.63,152.4 123.83,152.4 122.56,153.67 J8.2 108.27,153.67 107.13,152.53 103.37,152.53 102.23,153.67 J7.2 88.26,153.67 86.99,152.4 83.19,152.4 81.92,153.67 J6.2 67.94,153.67 66.67,152.4 62.87,152.4 61.6,153.67 J5.2 47.62,153.67 46.36,152.4 42.55,152.4 41.28,153.67 J4.2 27.31,153.67 26.04,152.4 22.23,152.4 20.96,153.67 J1.2
  Bottom w0.25: J2.2 4.45,15.24 2.55,17.14 2.55,149.19 3.22,149.86 5.09,149.86 J1.2
/D8: length 128.2
  Top w0.25: J9.73 128.9,44.45 127.63,43.18 113.66,43.18 112.39,44.45 J8.73 108.58,44.45 107.31,43.18 93.34,43.18 92.07,44.45 J7.73 88.26,44.45 86.99,43.18 73.02,43.18 71.75,44.45 J6.73 67.94,44.45 66.67,43.18 52.7,43.18 51.43,44.45 J5.73 47.62,44.45 46.35,43.18 32.38,43.18 31.11,44.45 J4.73 27.3,44.45 26.03,43.18 12.06,43.18 10.79,44.45 J1.73
/D9: length 128.2
  Top w0.25: J1.74 10.79,41.91 12.06,40.64 26.03,40.64 27.3,41.91 J4.74 31.11,41.91 32.38,40.64 46.35,40.64 47.62,41.91 J5.74 51.43,41.91 52.7,40.64 66.67,40.64 67.94,41.91 J6.74 71.75,41.91 73.02,40.64 86.99,40.64 88.26,41.91 J7.74 92.07,41.91 93.34,40.64 107.31,40.64 108.58,41.91 J8.74 112.39,41.91 113.66,40.64 127.63,40.64 128.9,41.91 J9.74
/D10: length 128.2
  Top w0.25: J1.75 10.79,39.37 12.06,38.1 26.03,38.1 27.3,39.37 J4.75 31.11,39.37 32.38,38.1 46.35,38.1 47.62,39.37 J5.75 51.43,39.37 52.7,38.1 66.67,38.1 67.94,39.37 J6.75 71.75,39.37 73.02,38.1 86.99,38.1 88.26,39.37 J7.75 92.07,39.37 93.34,38.1 107.31,38.1 108.58,39.37 J8.75 112.39,39.37 113.66,38.1 127.63,38.1 128.9,39.37 J9.75
/D11: length 128.2
  Top w0.25: J9.76 128.9,36.83 127.63,35.56 113.66,35.56 112.39,36.83 J8.76 108.58,36.83 107.31,35.56 93.34,35.56 92.07,36.83 J7.76 88.26,36.83 86.99,35.56 73.02,35.56 71.75,36.83 J6.76 67.94,36.83 66.67,35.56 52.7,35.56 51.43,36.83 J5.76 47.62,36.83 46.35,35.56 32.38,35.56 31.11,36.83 J4.76 27.3,36.83 26.03,35.56 12.06,35.56 10.79,36.83 J1.76
